# KiCad board POWERCORE-V2.0_MOTHERBOARD.kicad_pcb (continued)
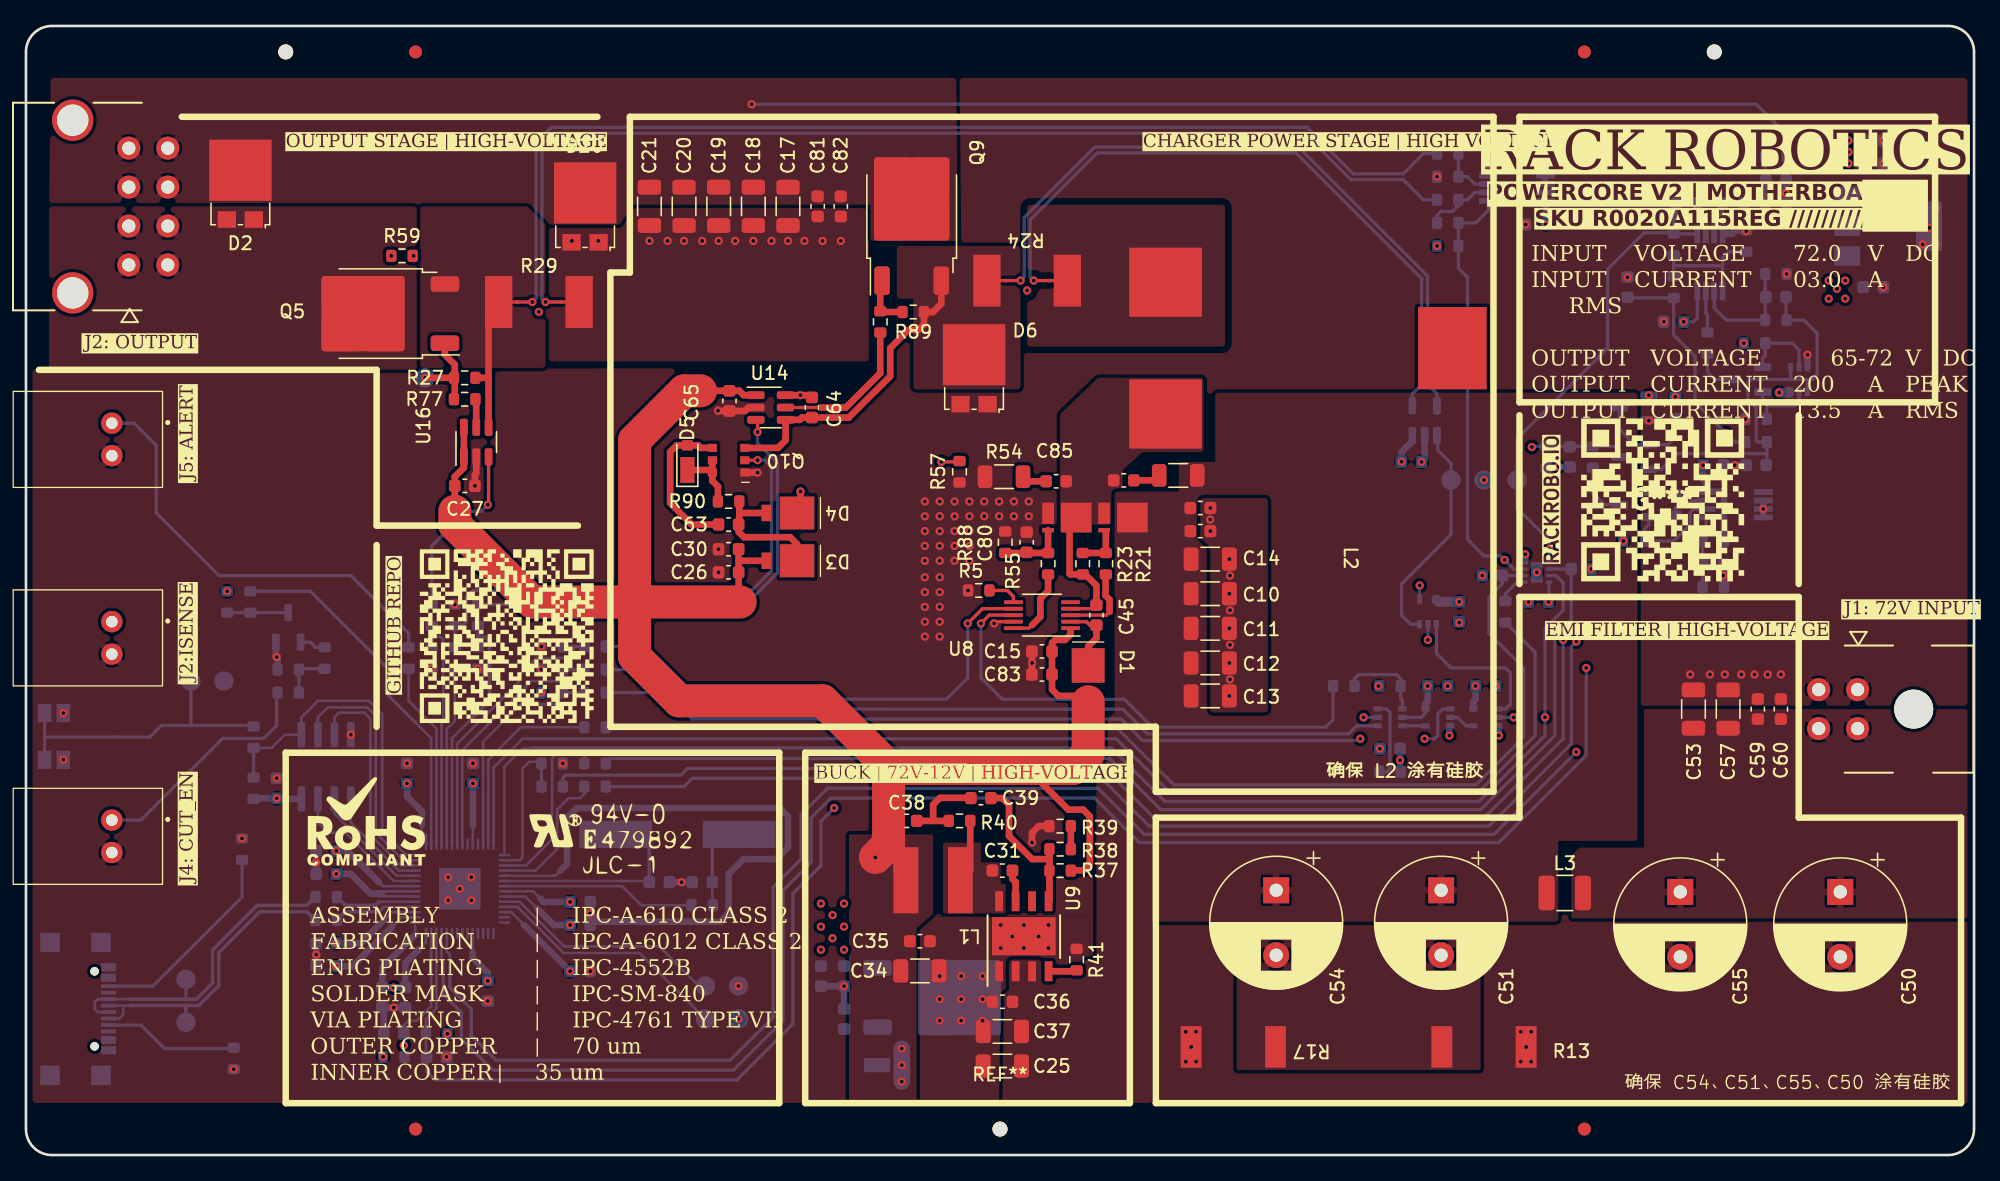
[diagram p0: board, top side]
## Library data of the parts (continued)
U10 = -: Description: IC, LDO, 25VIN, 3.3VOUT, 0.5A, SMT, TO-252-3; Manufacturer: Texas Instruments
U11 = -: Manufacturer: Winbond Electronics
U12 = -: Description: IC, LDO, 25VIN, 5VOUT, 0.5A, SMT, SOT-223-4; Manufacturer: Texas Instruments
U14 U16 = -: Manufacturer: Infineon
Y1 = -: ESR: 50 Ohm; Frequency: 12MHz; Load Capacitance: 18pf; Manufacturer: Abracon

## Footprints (pads in the part's own frame, mm; a bottom-side part is the same pattern mirrored in y, then rotated)
0430450400
  round 3 hole 3 unplated: (0,0)
  round 1.778 hole 1.016: 1(1.5,4.318) 2(-1.5,4.318) 3(1.5,7.318) 4(-1.5,7.318)
0430450822
  round 1.778 hole 1.016: 1(4.5,4.318) 2(1.5,4.318) 3(-1.5,4.318) 4(-4.5,4.318) 5(4.5,7.318) 6(1.5,7.318) 7(-1.5,7.318) 8(-4.5,7.318)
  round 3.175 hole 2.413: S1(6.655,0) S2(-6.655,0)
C_0603_1608Metric
  rrect 0.9x0.95 smd: 1(-0.775,0) 2(0.775,0)
C_1206_3216Metric
  rrect 1.15x1.8 smd: 1(-1.475,0) 2(1.475,0)
CP_Radial_D10.0mm_P5.00mm
  rect 2x2 hole 1.016: 1(0,0)
  round 2 hole 1.016: 2(5,0)
CRE_2512_High_ohm
  rect 2.1x4 smd: 1(-3.1,0) 2(3.1,0)
Crystal_SMD_HC49-SD
  rect 5.6x2.1 smd: 1(-4.75,0) 2(4.75,0)
CSRN2512
  rect 1.6x3.2 smd: 1(-3.25,0) 2(3.25,0)
D_MicroSMP_AK
  rect 2x1.1 smd: 1(-0.88,0)
  rect 0.8x0.8 smd: 2(1.02,0)
DO-220AA (SMP)
  rect 2.667x2.54 smd: 1(-0.699,0)
  rect 0.762x1.27 smd: 2(1.651,0)
Fiducial_1mm_Mask2mm
  round 1 smd: (0,0)
GSB1C41110SSHR
  round 0.65 hole 0.65 unplated: (-2.89,0) (2.89,0)
  rect 0.6x1.15 smd: A1(-3.2,1.075) A4(-2.4,1.075) A9(2.4,1.075) A12(3.2,1.075) B1(3.2,1.075) B4(2.4,1.075) B9(-2.4,1.075) B12(-3.2,1.075)
  rect 0.3x1.15 smd: A5(-1.25,1.075) A6(-0.25,1.075) A7(0.25,1.075) A8(1.25,1.075) B5(1.75,1.075) B6(0.75,1.075) B7(-0.75,1.075) B8(-1.75,1.075)
  rect 1.5x1.5 smd: S1(-5.12,-3.43) S1(-5.12,0.5) S1(5.12,-3.43) S1(5.12,0.5)
INFINEON_TSDSON-8-25
  rect 1.64x0.9 smd: 1(-0.325,-1.45)
  rect 0.34x0.9 smd: 4(0.975,-1.45)
  rect 2.29x2.36 smd: 5(0,0.72)
JLC_PCB_Tooling_Hole
  round 1.3 hole 1.152 unplated: (0,0)
L_1210_3225Metric
  rrect 1.25x2.65 smd: 1(-1.4,0) 2(1.4,0)
LM5169_POWERPAD_SOIC8
  rrect 2.71x3.4 smd: (0,0)
  rrect 1.55x0.6 smd: 1(-2.7,1.905) 2(-2.7,0.635) 3(-2.7,-0.635) 4(-2.7,-1.905) 5(2.7,-1.905) 6(2.7,-0.635) 7(2.7,0.635) 8(2.7,1.905)
  rrect 2.95x4.9 smd: EP(0,0)
NET_TIE_SMD_10mil
  rect 0.254x0.254 smd: 1(-0.381,0) 2(0.381,0)
PQ2617BHA
  rect 5.33x5.59 smd: 1(-5.075,-14.355) 2(5.075,-14.355)
  rect 6.35x5.28 smd: 3(0,7.72)
QFN-56-1EP_7x7mm_P0.4mm_EP3.2x3.2mm
  rrect 1.29x1.29 smd: (-0.8,-0.8) (-0.8,0.8) (0.8,-0.8) (0.8,0.8)
  rrect 0.875x0.2 smd: 1(-3.438,2.6) 2(-3.438,2.2) 3(-3.438,1.8) 4(-3.438,1.4) 5(-3.438,1) 6(-3.438,0.6) 7(-3.438,0.2) 8(-3.438,-0.2) 9(-3.438,-0.6) 10(-3.438,-1) 11(-3.438,-1.4) 12(-3.438,-1.8) 13(-3.438,-2.2) 14(-3.438,-2.6) 29(3.438,-2.6) 30(3.438,-2.2) 31(3.438,-1.8) 32(3.438,-1.4) 33(3.438,-1) 34(3.438,-0.6) 35(3.438,-0.2) 36(3.438,0.2) 37(3.438,0.6) 38(3.438,1) 39(3.438,1.4) 40(3.438,1.8) 41(3.438,2.2) 42(3.438,2.6)
  rrect 0.2x0.875 smd: 15(-2.6,-3.438) 16(-2.2,-3.438) 17(-1.8,-3.438) 18(-1.4,-3.438) 19(-1,-3.438) 20(-0.6,-3.438) 21(-0.2,-3.438) 22(0.2,-3.438) 23(0.6,-3.438) 24(1,-3.438) 25(1.4,-3.438) 26(1.8,-3.438) 27(2.2,-3.438) 28(2.6,-3.438) 43(2.6,3.438) 44(2.2,3.438) 45(1.8,3.438) 46(1.4,3.438) 47(1,3.438) 48(0.6,3.438) 49(0.2,3.438) 50(-0.2,3.438) 51(-0.6,3.438) 52(-1,3.438) 53(-1.4,3.438) 54(-1.8,3.438) 55(-2.2,3.438) 56(-2.6,3.438)
  rect 3.2x3.2 smd: 57(0,0)
R_0603_1608Metric
  rrect 0.8x0.95 smd: 1(-0.825,0) 2(0.825,0)
R_1206_3216Metric
  rrect 1.125x1.75 smd: 1(-1.462,0) 2(1.462,0)
S2B-XH-A-1
  round 1.651 hole 0.889: 1(1.25,0) 2(-1.25,0)
SOIC-8_3.9x4.9mm_P1.27mm
  rrect 1.95x0.6 smd: 1(-2.475,1.905) 2(-2.475,0.635) 3(-2.475,-0.635) 4(-2.475,-1.905) 5(2.475,-1.905) 6(2.475,-0.635) 7(2.475,0.635) 8(2.475,1.905)
SOT-23-3
  rrect 1.325x0.6 smd: 1(-1.137,0.95) 2(-1.137,-0.95) 3(1.137,0)
SOT-23-5
  rrect 1.325x0.6 smd: 1(-1.137,0.95) 2(-1.137,0) 3(-1.137,-0.95) 4(1.137,-0.95) 5(1.137,0.95)
SOT-23-6
  rrect 1.325x0.6 smd: 1(-1.137,0.95) 2(-1.137,0) 3(-1.137,-0.95) 4(1.137,-0.95) 5(1.137,0) 6(1.137,0.95)
SOT-223-3_TabPin2
  rect 2x1.5 smd: 1(-3.15,2.3) 2(-3.15,0) 3(-3.15,-2.3)
  rect 2x3.8 smd: 2(3.15,0)
SOT-353_SC-70-5
  rect 0.65x0.4 smd: 1(-0.95,0.65) 2(-0.95,0) 3(-0.95,-0.65) 4(0.95,-0.65) 5(0.95,0.65)
SOT-363_SC-70-6
  rect 0.65x0.4 smd: 1(-0.95,0.65) 2(-0.95,0) 3(-0.95,-0.65) 4(0.95,-0.65) 5(0.95,0) 6(0.95,0.65)
SW_SPST_EVQP7A
  rect 1.4x1.05 smd: 1(-1.8,0.72) 1(1.8,0.72) 2(-1.8,-0.72) 2(1.8,-0.72)
TestPoint_Pad_D1.5mm
  round 1.5 smd: 1(0,0)
TO-252-2
  rrect 2.2x1.2 smd: 1(-5.04,2.28) 3(-5.04,-2.28)
  rrect 3.05x2.75 smd: 2(-0.415,1.525) 2(-0.415,-1.525) 2(2.935,1.525) 2(2.935,-1.525)
  rrect 6.4x5.8 smd: 2(1.26,0)
TO-277A
  rect 1.25x1.2 smd: (-1.7,0.65) (-1.7,-1.04) (-1.7,-2.7) (0,0.65) (0,-1.04) (0,-2.7) (1.7,0.65) (1.7,-1.04) (1.7,-2.7)
  rect 1.4x1.27 smd: 1(-1.04,2.765) 2(1.04,2.765)
  rect 4.8x4.72 smd: 3(0,-1.04)
TSOP_6_2.5MM WIDTH
  rect 0.7x0.62 smd: 1(-1.25,0.95) 2(-1.25,0) 3(-1.25,-0.95) 4(1.25,-0.95) 5(1.25,0) 6(1.25,0.95)
unnamed
  round 1.3 hole 1.152 unplated: (0,0)
VLS6045EX
  rect 1.9x5.1 smd: 1(-2.1,0) 2(2.1,0)
VSSOP-8_3.0x3.0mm_P0.65mm
  rect 1.45x0.45 smd: 1(-2.2,0.975) 2(-2.2,0.325) 3(-2.2,-0.325) 4(-2.2,-0.975) 5(2.2,-0.975) 6(2.2,-0.325) 7(2.2,0.325) 8(2.2,0.975)
VSSOP-10_3x3mm_P0.5mm
  rrect 1.45x0.3 smd: 1(-2.2,1) 2(-2.2,0.5) 3(-2.2,0) 4(-2.2,-0.5) 5(-2.2,-1) 6(2.2,-1) 7(2.2,-0.5) 8(2.2,0) 9(2.2,0.5) 10(2.2,1)
WSON-8-1EP_2x2mm_P0.5mm_EP0.9x1.6mm
  rect 0.75x0.65 smd: (0,-0.4) (0,0.4)
  rect 0.5x0.25 smd: 1(-0.95,0.75) 2(-0.95,0.25) 3(-0.95,-0.25) 4(-0.95,-0.75) 5(0.95,-0.75) 6(0.95,-0.25) 7(0.95,0.25) 8(0.95,0.75)
  rect 0.9x1.6 smd: 9(0,0)

## Nets
+1V1: C74.1 C75.1 C76.1 U2.23 U2.45 U2.50
+3V3: C3.1 C4.1 C5.1 C7.1 C8.1 C9.1 C22.1 C23.1 C42.1 C66.1 C67.1 C68.1 C69.1 C70.1 C71.1 C73.1 C77.1 C78.1 R4.2 R32.1 R43.1 R50.1 R53.1 R56.1 R58.1 TP4.1 U2.1 U2.10 U2.22 U2.26 U2.33 U2.42 U2.43 U2.44 U2.48 U2.49 U3.5 U4.5 U5.5 U6.8 U7.8 U10.3 U11.8 U17.8
+5V: C1.1 C24.1 C49.1 C56.1 C87.1 Q12.6 R65.1 R73.1 TP15.1 U1.3 U12.3 U13.5 U15.8
+12V: C15.1 C26.1 C27.1 C30.1 C34.1 C35.1 C38.2 C65.1 C83.1 C86.1 D1.2 D3.2 D19.2 L1.2 R37.1 TP13.1 U8.1 U12.1 U14.1 U16.1 U16.6
GND: C1.2 C2.2 C3.2 C4.2 C5.2 C6.2 C7.2 C8.2 C9.2 C10.2 C11.2 C12.2 C13.2 C14.2 C15.2 C16.2 C17.2 C18.2 C19.2 C20.2 C21.2 C22.2 C23.2 C24.2 C25.2 C26.2 C27.2 C29.2 C30.2 C32.2 C34.2 C35.2 C36.2 C37.2 C40.2 C41.1 C42.2 C44.2 C47.2 C48.2 C49.2 C50.2 C52.2 C53.2 C55.2 C56.2 C57.2 C59.2 C60.2 C65.2 C66.2 C67.2 C68.2 C69.2 C70.2 C71.2 C72.2 C73.2 C74.2 C75.2 C76.2 C77.2 C78.2 C79.2 C80.2 C81.2 C82.2 C83.2 C86.2 C87.2 C95.2 D6.1 D6.2 D20.1 D20.2 J1.1 J1.3 J2.S1 J2.S2 J3.2 J4.2 J5.2 J6.A1 J6.A12 J6.B1 J6.B12 J6.S1 NT2.2 Q3.1 Q7.2 Q10.1 Q11.2 Q12.3 R1.2 R5.2 R7.2 R9.1 R13.2 R14.2 R17.2 R26.1 R29.2 R34.2 R36.2 R39.2 R41.2 R46.2 R54.2 R57.2 R59.2 R63.2 R64.2 R69.2 R71.2 R72.2 R79.2 R83.2 R86.1 R88.2 R94.1 R97.1 SW1.1 TP3.1 TP10.1 U1.2 U2.19 U2.57 U3.2 U4.3 U5.3 U6.2 U6.3 U6.4 U7.4 U7.9 U8.9 U9.1 U9.EP U10.2 U11.4 U12.2 U13.2 U14.2 U15.4 U16.2 U17.4 U17.5 U17.6
VBUS: C10.1 C11.1 C12.1 C13.1 C14.1 C25.1 C36.1 C37.1 C51.1 C54.1 C72.1 C79.1 L3.2 Q4.5 R70.1 U9.2 U9.3
/CHARGER_POWER_STAGE/CC_CHARGER_EN: R9.2 R20.2 U2.7
/CHARGER_POWER_STAGE/CC_CHARGER_HI: R22.1 R86.2 U3.4
/CHARGER_POWER_STAGE/CHARGER_TEMP: C47.1 R56.2 R57.1 U2.40
/CHARGER_POWER_STAGE/DIODE_ON: R92.1 R94.2 U2.6
/CHARGER_POWER_STAGE/GATE_BIAS_CLK: R96.1 U2.5
/CHARGER_POWER_STAGE/V_SHUNT_+: NT5.2 U1.4
/CHARGER_POWER_STAGE/V_SHUNT_-: NT6.1 U1.5
/CHARGER_POWER_STAGE/VCAP: C17.1 C18.1 C19.1 C20.1 C21.1 C81.1 C82.1 D2.3 D20.3 J2.3 J2.4 J2.7 J2.8 Q9.2 R2.1
/CHARGER_POWER_STAGE/VG_DIODE: R25.2 U14.5
/CHARGER_POWER_STAGE/VGH: Q4.4 R21.2 R23.1
/CHARGER_POWER_STAGE/VHB_DIODE: C64.1 D4.1 U14.6
/CHARGER_POWER_STAGE/VS_DIODE: C64.2 D6.3 NT6.2 Q9.3 Q10.3 R24.2 R89.2 U14.4
/CHARGER_POWER_STAGE/VSW: C45.2 C84.2 C85.1 L2.2 Q3.5 Q4.1 R23.2 U8.4
/CONNECTORS/CUT_EN: J4.1 R78.1
/CONNECTORS/ELECTRODE_-: D2.1 D2.2 J2.1 J2.2 J2.5 J2.6 Q5.2
/CONNECTORS/OUTPUT_ISENSE: J3.1 R75.2
/CONNECTORS/SHORT_ALERT: R3.2 U2.3
/CONNECTORS/SWCLK: TP1.1 U2.24
/CONNECTORS/SWDIO: TP2.1 U2.25
/CONNECTORS/USB_D_N: J6.A7 J6.B7 R66.1 TP8.1
/CONNECTORS/USB_D_P: J6.A6 J6.B6 R44.1 TP7.1
/CONTROLS/CC_CLK: R45.1 R46.1 U2.8
/CONTROLS/CC_I_LIMIT: C29.1 R30.2 R60.2 R68.1
/CONTROLS/CC_I_LIMIT_PWM: R30.1 U2.18
/CONTROLS/CC_PWM_nEN: R49.1 R50.2 U2.12
/CONTROLS/CC_SLOPE_BLANKING: R7.1 R10.1 U2.16
/CONTROLS/CURRENT_TRIP: U5.1 U13.1
/CONTROLS/OUTPUT_CURRENT_TRIP: R15.1 U2.14
/CONTROLS/OUTPUT_ISENSE_MICRO: R67.2 R75.1 U2.38 U7.3 U17.1
/CONTROLS/OUTPUT_SHUNT_+: NT1.1 R12.2
/CONTROLS/OUTPUT_SHUNT_-: NT2.1 R16.2
/CONTROLS/SLOPE_GENERATION/I_LIMIT_ADJUSTED: C6.1 C46.2 Q1.2 Q12.1 Q12.4 R28.2 R68.2
/CONTROLS/SPARK_THRESHOLD_PWM: R11.1 U2.13
/CONTROLS/V_CAP_SET: C44.1 R31.2 U7.6
/CONTROLS/V_CAP_SET_PWM: R31.1 U2.17
/CONTROLS/V_SENSE_FILTERED: C2.1 R1.1 R2.2 R51.1
/CONTROLS/V_SLOPE: C95.1 Q1.3 R14.1 R19.1 U13.4
/CONTROLS/VSENSE_BUFFERED: R47.2 R61.1 TP16.1 U2.39 U7.5 U15.1
/CONTROLS/VSENSE_TRIP: U2.15 U5.2 U7.7
/MICRO/CUT_nEN: R82.1 U2.2
/MICRO/OUTPUT_EN: R18.1 R26.2 U2.4
/MICRO/OUTPUT_STAGE_TEMP: C48.1 R58.2 R59.1 U2.41
/MICRO/P_USB_N: R66.2 U2.46
/MICRO/P_USB_P: R44.2 U2.47
/MICRO/QSPI_SS: R43.2 R100.1 U2.56 U11.1
/MICRO/XIN: C41.2 U2.20 Y1.2
/MICRO/XOUT: R101.2 U2.21
VDC: C50.1 C53.1 C55.1 C57.1 C59.1 C60.1 J1.2 J1.4 L3.1
Net-(C38-Pad1): C38.1 C39.2 R40.2
Net-(C40-Pad1): C40.1 R101.1 Y1.1
Net-(C51-Pad2): C51.2 C54.2 R13.1 R17.1
Net-(C84-Pad1): C84.1 R70.2
Net-(C85-Pad2): C85.2 R54.1
Net-(D1-K): C45.1 D1.1 U8.2
Net-(D3-K): C63.1 D3.1 D4.2 R90.1
Net-(D5-A): C63.2 D5.2 Q10.4
Net-(D5-K): D5.1 Q10.5 Q10.6 R90.2
Net-(D7-A): D7.1 Q12.2 R73.2
Net-(D7-A/K): D7.3 R62.2
Net-(D7-K): D7.2 Q12.5 R72.1
Net-(D19-K): C32.1 D19.1 U10.1
Net-(J5-Pad1): J5.1 R3.1
Net-(J6-CC1): J6.A5 R69.1
Net-(J6-CC2): J6.B5 R71.1
Net-(J6-VBUS-PadA4): J6.A4 J6.A9 J6.B4 J6.B9
Net-(L2-Pad1): L2.1 NT5.1 R24.1
Net-(Q1-G): Q1.1 Q11.3 R65.2
Net-(Q2-D): Q2.3 R19.2
Net-(Q2-G): Q2.1 R33.2
Net-(Q2-S): Q2.2 R36.1 U6.6
Net-(Q3-G): C80.1 Q3.4 R55.2 R88.1
Net-(Q5-G): Q5.1 R27.1 R77.2 TP5.1
Net-(Q5-S): NT1.2 Q5.3 R27.2 R29.1 U16.4
Net-(Q7-D): Q7.3 R53.2 R82.2
Net-(Q7-G): Q7.1 R80.1
Net-(Q9-G): Q9.1 R25.1 R89.1
Net-(Q10A-G): Q10.2 R96.2 R97.2
Net-(Q11-G): Q11.1 R10.2
Net-(R15-Pad2): R15.2 U7.1
Net-(R33-Pad1): R33.1 U6.7
Net-(R38-Pad2): R38.2 R39.1
Net-(R49-Pad2): R49.2 U4.1
Net-(R62-Pad1): R62.1 U15.7
Net-(R78-Pad2): R78.2 R79.1 R80.2
Net-(R100-Pad2): R100.2 SW1.2 TP9.1
Net-(U3-C): R45.2 U3.1
Net-(U3-D): R4.1 U3.3
Net-(U3-~{CLR}): U3.6 U4.4
Net-(U4-Pad2): U4.2 U5.4
Net-(U6B-+): C16.1 R32.2 R34.1 U6.5
Net-(U7A--): C52.1 R11.2 U7.2
Net-(U8-EN): R20.1 U8.7
Net-(U8-HO): R21.1 U8.3
Net-(U8-IN): R22.2 U8.8
Net-(U8-LO): R55.1 U8.10
Net-(U8-RDT): R5.1 U8.6
Net-(U9-BST): C31.1 U9.7
Net-(U9-FB): C39.1 R37.2 R38.1 U9.5
Net-(U9-RT): R41.1 U9.4
Net-(U9-SW): C31.2 L1.1 R40.1 U9.8
Net-(U11-CLK): U2.52 U11.6
Net-(U11-DI(IO0)): U2.53 U11.5
Net-(U11-DO(IO1)): U2.55 U11.2
Net-(U11-~{RST}(IO3)): U2.51 U11.7
Net-(U11-~{WP}(IO2)): U2.54 U11.3
Net-(U13-+): TP6.1 U1.1 U13.3
Net-(U14-IN): R92.2 U14.3
Net-(U15A-+): R51.2 U15.3
Net-(U15A--): R47.1 U15.2
Net-(U15B-+): R60.1 R61.2 R83.1 U15.5
Net-(U15B--): C46.1 R28.1 R63.1 U15.6
Net-(U16-HO): R77.1 U16.5
Net-(U16-IN): R18.2 U16.3
Net-(U17A-+): R12.1 R64.1 U17.3
Net-(U17A--): R16.1 R67.1 U17.2

Pads without a net: J6 A8 B8; L2 3; U2 9 11 27 28 29 30 31 32 34 35 36 37; U6 1; U8 5; U9 6; U17 7

## Via types
v1: diameter 0.635, hole 0.305, Top to Bottom, 262 vias

## Routing (per net, layer and track width the routed paths; a pad name or vN(x,y) marks a point on that pad's centre or on a via; arc(x,y) is an arc through that point)
+1V1: length 47.2
  In2.Cu w1.27: 25.65,20.01 28.96,20.01 31.24,17.72 v1(41.9,17.72) ; 25.65,20.01 25.65,16.96 25.02,16.33 v1(23.89,16.33) ; 25.65,20.01 25.65,22.68 24.89,23.44 v1(23.89,23.44)
  Bottom w0.201: 27.18,21.03 27.49,20.72 U2.50 ; 27.56,18.1 28.17,18.72 U2.45 ; U2.23 38.45,19.92 39.37,18.99
  Bottom w0.508: C76.1 v1(23.89,16.33) 25.78,16.33 27.56,18.1 ; 27.18,21.03 24.77,23.44 v1(23.89,23.44) C75.1 ; v1(41.9,17.72) 40.64,17.72 39.37,18.99
+3V3: length 79.4
  Bottom w0.201: 39.62,19.76 39.06,20.32 U2.22 ; U2.49 26.87,20.32 27.18,20.01 27.18,19.94 29.94,19.94 U2.48 ; 38.35,17.73 37.37,18.72 U2.26 ; 34.42,15.56 34.4,15.58 U2.33 ; 30.8,17.08 30.8,16.39 30.23,15.82 ; U2.44 28.92,18.32 28.19,17.6 ; 30.8,23.96 30.8,24.64 30.48,24.96 30.48,25.47 ; U2.43 29.96,16.96 ; U2.10 34.4,25.33
  Bottom w0.254: U4.5 107.76,34.05 107.44,33.73 105.98,33.73 ; v1(117.23,42.62) 117.28,42.66 U7.8
  Bottom w0.508: v1(107.94,36.14) 107.94,34.98 107.76,34.81 U4.5 107.76,34.3 ; 28.19,17.6 25.15,14.55 v1(23.89,14.55) ; 29.96,16.96 27.43,14.43 C78.1 C69.1 29.21,14.8 30.23,15.82 ; R4.2 105.8,29.58 C3.1 ; 34.4,15.58 34.4,15.2 35.56,14.04 v1(35.56,13.42) ; 117.01,73.49 117.02,73.49 v1(117.02,71.7) ; v1(41.9,14.17) 38.35,17.71 ; 129.37,51.11 129.34,51.11 ; 129.37,51.11 130.55,51.11 130.75,50.91 R32.1 ; 129.37,51.11 129.37,51.8 129.15,52.03 v1(129.15,53.16) ; 30.48,25.47 30.48,26.49 29.34,27.63 v1(29.34,28.63) ; 27.43,20.14 26.54,20.14 25.02,21.66 v1(23.89,21.66) ; v1(34.42,28.63) 34.42,25.34 ; v1(111.62,36.14) 111.62,35.11 111.45,34.93 111.45,34.38 ; 39.62,19.76 39.88,19.5 v1(41.9,19.5) ; 17.53,27.5 17.54,27.49 v1(19.3,27.49) 19.35,27.44 U11.8
  vias: v1(15.49,43.44) v1(27.5,7.56) v1(28.32,12.9) v1(32.45,9.34) v1(39.69,35.63) v1(54.86,10.48) v1(61.21,19.37) v1(61.21,17.6) v1(61.21,15.82) v1(62.1,18.49) v1(62.1,16.71) v1(62.99,19.37) v1(62.99,17.6) v1(62.99,15.82) v1(105.8,30.42)
+5V: length 88.6
  In3.Cu w1.27: 110.36,49.09 110.36,50.11 v1(112.27,52.01) 112.27,55.44 117.86,61.03 127.65,61.03 ; 110.36,49.09 107.7,49.09 105.92,50.87 v1(105.92,53.42) ; 110.36,49.09 v1(110.36,42.63) ; v1(127,58.43) 127.65,59.08 127.65,61.03 ; v1(140.34,76.4) v1(140.34,78.18) ; v1(127.65,64.21) 127.65,72.98 131.95,77.29 v1(140.34,77.29) ; v1(127.65,64.21) 130.62,64.21 v1(132.27,62.55) 132.27,61.47 v1(135,58.74) ; v1(127.65,64.21) 127.65,61.03
  Bottom w0.254: U15.8 128.69,64.5 128.4,64.21 v1(127.65,64.21)
  Bottom w0.508: U1.3 106.75,55 105.92,54.17 v1(105.92,53.42) C1.1
  Bottom w0.762: U13.5 108.78,42.63 v1(110.36,42.63) ; v1(135,58.74) 135.75,58.74 135.75,58.81
+12V: length 275
  Top w0.508: L1.2 67.04,21.88 C38.2 67.06,25.76 ; 80.45,21.94 81.43,21.94 81.92,22.42 81.92,26.11 81.41,26.61 80.26,26.61 76.87,30.01 75.64,28.77 67.06,28.77 ; 80.43,40.5 80.43,40.12 80.01,39.69 79.25,39.69 79.01,39.45 C15.1 79.01,35.87 79.5,35.38 D1.2 ; U14.1 55.26,58.55 54.93,58.88 51.94,58.88 ; 54.99,42.62 54.88,42.73 C26.1 54.88,45.8 ; 33.72,56 33.72,52.97 33.02,52.27 C27.1 33.02,49.6 ; 54.88,45.8 54.89,45.79 D3.2 ; 54.88,45.8 C30.1
  Top w2.54: 51.94,58.88 50.69,58.88 46.86,55.06 46.86,42.62 ; 66.42,29.79 80.65,29.79 81.79,30.93 81.79,34.92 ; 46.86,42.62 54.99,42.62 ; 46.86,42.62 46.86,38.42 50.29,35 61.34,35 66.42,29.92 66.42,23.95 v1(65.41,22.93) ; 46.86,42.62 38.99,42.62 33.02,48.58 33.02,49.6
  In2.Cu w2.54: v1(139.45,66.75) 139.45,44.14 136.4,41.09 127.38,41.09 123.32,37.03 123.32,29.66 119.38,25.72 90.55,25.72 88.27,23.44 88.27,13.53 81.66,6.93 v1(67.44,6.93)
  Bottom w1.27: v1(67.44,8.2) v1(67.44,5.66)
  vias: v1(138.81,67.38) v1(138.81,65.98) v1(140.08,67.38) v1(140.08,65.98)
GND: length 119.7
  Top w0.254: v1(74.55,40.97) 74.68,41.1 U8.9
  Top w0.508: C15.2 C83.2 ; v1(77.47,24.07) 77.47,24.84 77.98,25.34 R39.2 ; v1(34.57,51.56) 34.57,52.42 34.67,52.52 34.67,53.73 ; v1(53.28,57.36) 53.31,57.33 55.37,57.33 55.64,57.6 U14.2 ; 77,48.04 C80.2 ; Q10.1 v1(56.33,52.59)
  In2.Cu w0.508: 77.52,59.33 77.52,39.36 76.71,38.54
  Bottom w0.201: 34.4,21.52 v1(33.4,20.52) ; U2.19 36.84,21.52 40.75,21.52 41.15,21.91
  Bottom w0.254: U3.2 v1(103,33.73) ; U13.2 v1(107.95,39.69)
  Bottom w0.508: R34.2 130.7,43.81 C16.2 ; 19.37,37.48 19.37,38.3 v1(19.3,38.37) 19.24,38.43 Q7.2 ; C76.2 C73.2 ; 109.66,33.07 109.66,33.07 109.6,33.01 v1(109.6,32.33) ; C6.2 C8.2 ; v1(43.43,18.61) 43.43,19.49 C66.2 ; v1(43.43,18.61) 43.43,17.74 C74.2 ; v1(43.43,18.61) 44.07,17.98 53.47,17.98 54.1,18.61 54.1,21.66 55.25,22.8 57.79,22.8 58.67,23.69 58.67,26.11 58.04,26.74 42.42,26.74 41.66,25.98 41.66,22.42 41.15,21.91 ; 113.35,33.07 113.35,33.07 113.41,33.01 v1(113.41,32.33) ; v1(137.18,61.67) 137.18,61.66 137.18,60.71 ; C48.2 27.55,11.25 C78.2 C69.2 ; C40.2 v1(50.48,21.03) C41.1 ; 130.67,70.98 131.36,70.98 131.64,71.25 R83.2 ; v1(116.97,76.27) 116.97,74.86 116.98,74.85 117.01,74.85 ; C75.2 C68.2 ; U1.2 107.7,53.65 v1(107.46,53.41) ; R1.2 135.51,73.41 v1(135.51,74.11) 135.51,75.11 C2.2 ; v1(112.65,76.4) 112.65,75.51 112.64,75.5 112.61,75.5 ; U6.4 133.77,50.41 ; R14.2 117.14,53.02 C95.2 ; C32.2 v1(62.99,13.01) C23.2 ; 115.44,45.73 v1(115.44,46.29)
  vias: v1(2.88,34.06) v1(2.88,30.46) v1(16,6.61) v1(16.64,24.4) v1(19.3,29.04) v1(22.34,22.55) v1(22.35,15.44) v1(25.02,32.39) v1(28.32,11.36) v1(29.34,30.18) v1(29.85,69.29) v1(31.24,37.47) v1(32.39,7.56) v1(32.51,21.41) v1(32.51,19.63) v1(33.02,42.42) v1(34.29,21.41) v1(34.29,19.63) v1(34.42,30.18) v1(34.8,37.47) v1(35.56,11.87) v1(39.5,64.97) v1(39.69,39.19) v1(39.69,37.41) v1(41.34,30.17) v1(42.04,70.44) v1(43.45,14.17) v1(44.07,70.44) v1(48.01,70.44) v1(49.4,70.44) v1(50.67,70.44) v1(52.07,70.44) v1(53.34,70.44) v1(53.33,46.68) v1(53.33,44.9) v1(54.61,70.44) v1(54.86,13.02) v1(56.01,70.44) v1(57.4,70.44) v1(58.67,70.44) v1(59.94,70.44) v1(61.34,70.43) v1(62.74,70.44) v1(69.22,50.36) v1(69.22,49.22) v1(69.22,48.08) v1(69.22,46.93) v1(69.22,45.79) v1(69.22,44.52) v1(69.22,43.38) v1(69.22,42.23) v1(69.22,41.09) v1(69.22,39.95) v1(70.36,50.36) v1(70.36,49.22) v1(70.36,48.08) v1(70.36,46.93) v1(70.36,45.79) v1(70.36,44.52) v1(70.36,43.38) v1(70.36,42.23) v1(70.36,41.09) v1(70.36,39.95) v1(70.36,13.79) v1(70.36,12.01) v1(70.36,10.36) v1(71.5,50.36) v1(71.5,49.22) v1(71.5,48.08) v1(71.5,46.93) v1(71.5,45.79) v1(72.01,13.79) v1(72.01,12.01) v1(72.01,10.36) v1(72.54,43.5) v1(72.64,50.36) v1(72.64,49.22) v1(72.64,48.08) v1(72.64,46.93) v1(72.64,45.79) v1(73.66,13.79) v1(73.66,12.01) v1(73.66,10.36) v1(73.79,50.36) v1(73.79,49.22) v1(74.93,50.36) v1(74.93,49.22) v1(75.06,17.72) v1(75.06,15.95) v1(75.95,16.83) v1(76.07,50.36) v1(76.07,49.22) v1(76.84,17.72) v1(76.84,15.95) v1(77.09,66.62) v1(77.22,50.36) v1(77.22,49.22) v1(77.47,37.92) v1(77.98,16.83) v1(78.74,17.72) v1(78.74,15.95) v1(89.3,9.5) v1(89.3,7.2) v1(89.72,8.33) v1(90.1,9.5) v1(90.1,7.2) v1(91.2,49.85) v1(91.19,48.97) v1(91.2,48.08) v1(92.66,45.92) v1(92.71,44.65) v1(92.66,43.25) v1(92.71,41.98) v1(92.66,40.58) v1(92.71,39.31) v1(92.66,37.92) v1(92.71,36.65) v1(92.66,35.38) v1(104.14,36.14) v1(104.25,31.31) v1(108.65,75.38) v1(109.47,36.14) v1(110.36,41.03) v1(112.14,44.65) v1(113.16,36.14) v1(115.1,9.5) v1(115.1,7.2) v1(115.47,71.7) v1(115.52,8.33) v1(115.7,42.62) v1(115.9,9.5) v1(115.9,7.2) v1(116.33,44.9) v1(117.98,53.03) v1(120.54,45.16) v1(123,47.31) v1(123.32,67.63) v1(124.97,56.59) v1(126.11,64.21) v1(128.14,37.03) v1(129.67,37.03) v1(130.68,44.65) v1(130.81,37.03) v1(131.57,53.16) v1(132.08,37.03) v1(132.4,56.71) v1(132.46,71.19) v1(133.1,37.03) v1(133.77,49.78) v1(134.11,37.03) v1(135.13,37.03) v1(135.57,67.89) v1(143.02,78.18) v1(143.02,76.4) v1(143.02,66.87) v1(146.05,72.97) v1(146.05,70.17) v1(146.56,71.44) v1(147.07,72.97) v1(147.07,70.17)
/CHARGER_POWER_STAGE/CC_CHARGER_EN: length 22.1
  Bottom w0.201: 33.2,23.96 33.2,31.69 37.97,36.46 37.97,36.97 39.3,38.3 41.91,38.3 42.16,38.55 42.16,39.19
  Bottom w0.254: R20.2 R9.2
/CHARGER_POWER_STAGE/CC_CHARGER_HI: length 6.8
  Bottom w0.254: 105.98,34.38 105.98,35.06 105.85,35.19 R86.2 105.85,36.71 105.54,37.03 102.62,37.03 102.3,36.71 R22.1
/CHARGER_POWER_STAGE/CHARGER_TEMP: length 91.1
  Top w0.254: v1(70.49,53.41) 71.82,53.41 R57.1
  In3.Cu w0.254: v1(70.49,53.41) 69.85,53.41 67.82,51.38 67.82,32.33 v1(62.23,26.74)
  Bottom w0.201: U2.40 31.6,11.3 30.8,10.49 R56.2 30.8,7.61 C47.1
  Bottom w0.254: C47.1 30.85,6.43 31.5,5.79 54.74,5.79 59.06,10.1 59.06,20.14 61.21,22.3 61.21,25.72 v1(62.23,26.74)
/CHARGER_POWER_STAGE/DIODE_ON: length 19.5
  Bottom w0.201: 32.8,23.96 32.8,32.11 34.29,33.6 ; 34.8,39.95 35.31,39.95
  Bottom w0.254: R92.1 R94.2 ; 34.29,33.6 35.69,35 35.69,39.57 35.31,39.95
/CHARGER_POWER_STAGE/GATE_BIAS_CLK: length 13.8
  Bottom w0.201: R96.1 33.02,33.44 32.4,32.82 32.4,23.96 U2.5
/CHARGER_POWER_STAGE/V_SHUNT_+: length 52.4
  Top w0.254: NT5.2 v1(77.6,67.38)
  Bottom w0.254: v1(77.6,67.38) 77.32,67.66 77.32,72.05 82.48,77.22 97.79,77.22 107.47,67.54 107.47,59.38 106.75,58.66 U1.4
/CHARGER_POWER_STAGE/V_SHUNT_-: length 53.9
  Top w0.254: NT6.1 v1(76.58,67.38)
  Bottom w0.254: U1.5 108.65,58.66 107.92,59.38 107.92,67.73 97.98,77.67 82.3,77.67 76.86,72.23 76.86,67.66 v1(76.58,67.38)
/CHARGER_POWER_STAGE/VCAP: length 82.4
  Bottom w0.254: R2.1 135.57,78.62 133.22,80.97 v1(55.88,80.97)
/CHARGER_POWER_STAGE/VG_DIODE: length 11.5
  Top w0.254: U14.5 61.15,57.6
  Top w0.508: 61.17,57.6 63.14,57.6 65.78,60.24 R25.2
/CHARGER_POWER_STAGE/VGH: length 3.4
  Top w0.508: R23.1 R21.2 83.15,48.02
/CHARGER_POWER_STAGE/VHB_DIODE: length 11.3
  Top w0.508: D4.1 59.63,49.74 v1(59.63,51.13) ; U14.6 v1(59.63,58.55) 60.34,58.55 C64.1
  In2.Cu w0.508: v1(59.63,51.13) v1(59.63,58.55)
/CHARGER_POWER_STAGE/VS_DIODE: length 24.3
  Top w0.508: Q10.3 57.91,54.49 58.49,55.07 58.49,56.64 U14.4 59.58,56.65 59.75,56.83 C64.2 63.36,56.83 66.55,60.01 66.55,62.17 67.95,63.57 68.71,63.57 69.15,64.01 R89.2 69.84,64.96 70.48,65.6 Q9.3
/CHARGER_POWER_STAGE/VSW: length 10.6
  Top w0.254: U8.4 82.15,42.1 C45.2
  Top w0.508: C45.2 82.42,43.89 81.57,44.74 R23.2 80.42,44.74 80.35,44.8 80.35,48.6 Q3.5
/CONNECTORS/CUT_EN: length 18.3
  Bottom w0.254: 19.3,35.64 19.3,33.09 18.32,32.1 15.14,32.1 8.85,25.81 J4.1
/CONNECTORS/OUTPUT_ISENSE: length 134.6
  In3.Cu w0.254: v1(108.65,70.05) 106.81,70.05 96.9,79.95 24.38,79.95 20.07,75.64 20.07,59.76 6.61,46.31 J3.1
/CONNECTORS/SHORT_ALERT: length 14.4
  Bottom w0.201: R3.2 29.46,35 31.6,32.86 U2.3
/CONNECTORS/SWCLK: length 18.2
  Bottom w0.201: TP1.1 51.82,13.02 48.77,16.07 41.46,16.07 38.01,19.52 36.84,19.52 U2.24
/CONNECTORS/SWDIO: length 19.1
  Bottom w0.201: U2.25 37.85,19.12 41.4,15.56 47.24,15.56 TP2.1
/CONNECTORS/USB_D_N: length 24.1
  Bottom w0.201: 8.13,11.53 8.12,11.52 7.49,11.52 ; J6.B7 7.18,10.52 7.49,10.83 7.49,11.52 ; 7.49,11.52 J6.A7
  Bottom w0.278: 12.32,11.53 13.32,11.53 14.85,13.05 14.85,15.59 18.01,18.75 21.64,18.75 22.29,18.1 ; 12.32,11.53 8,11.53 ; 12.32,11.53 TP8.1
/CONNECTORS/USB_D_P: length 25.1
  Bottom w0.201: 8,12.01 7.99,12.02 J6.B6 5.53,12.02 5.3,11.79 5.3,11.24 5.53,11.02 J6.A6
  Bottom w0.254: TP7.1 12.32,12.01
  Bottom w0.278: 22.29,19.88 21.64,19.23 17.81,19.23 14.36,15.79 14.36,13.25 13.12,12.01 8,12.01
/CONTROLS/CC_CLK: length 20.4
  Bottom w0.201: 42.16,37.41 42.16,36.77 41.91,36.52 38.93,36.52 33.6,31.2 U2.8
  Bottom w0.254: R46.1 R45.1
/CONTROLS/CC_I_LIMIT: length 129.1
  In3.Cu w0.254: v1(119.38,39.57) 122.17,42.36 122.17,53.28 124.21,55.32 130.56,55.32 v1(130.87,55.63)
  Bottom w0.254: R30.2 50.67,28.39 51.31,29.03 82.8,29.03 85.41,26.42 ; v1(119.38,39.57) 119,39.19 119,31.69 112.65,25.34 86.49,25.34 85.41,26.42 ; 85.41,26.42 85.6,26.23 ; R68.1 131.57,54.93 v1(130.87,55.63) 128.52,57.98 128.52,61.54 126.87,63.19 126.87,66.05 R60.2 123.37,66.05 C29.1
/CONTROLS/CC_I_LIMIT_PWM: length 11
  Bottom w0.201: R30.1 42.99,27.82 42.67,27.5 41.78,27.5 40.89,26.61 40.89,23.57 39.24,21.91 39.24,21.92 U2.18
/CONTROLS/CC_PWM_nEN: length 18.4
  Bottom w0.201: 35.2,23.96 35.2,31.84 38.1,34.74 41.91,34.74 42.16,35 42.16,35.63
  Bottom w0.254: R50.2 R49.1
/CONTROLS/CC_SLOPE_BLANKING: length 11.8
  Bottom w0.201: 39.69,30.3 38.74,30.3 38.23,29.79 38.23,22.93 38.01,22.72 37.38,22.72 37.38,22.72 U2.16
  Bottom w0.254: R10.1 R7.1
/CONTROLS/CURRENT_TRIP: length 12.1
  Bottom w0.254: U13.1 108.6,38.66 109.73,37.54 113.92,37.54 114.3,37.15 114.3,34.74 113.93,34.38 U5.1
/CONTROLS/OUTPUT_CURRENT_TRIP: length 100.2
  Bottom w0.201: U2.14 36,29.85 38.23,32.07 38.61,32.07
  Bottom w0.254: 38.61,32.07 83.95,32.07 88.14,27.88 111.76,27.88 116.21,32.33 116.21,38.74 113.92,41.03
/CONTROLS/OUTPUT_ISENSE_MICRO: length 165.7
  In3.Cu w0.254: v1(119.38,31.06) 119.38,35.5 114.81,40.08 114.81,44.9 v1(113.86,45.85)
  Bottom w0.201: 32.64,14.55 32.64,15.44 32.4,15.68 U2.38
  Bottom w0.254: v1(119.38,31.06) 113.03,24.71 86.11,24.71 82.55,28.26 61.72,28.26 59.69,26.23 59.69,22.8 57.53,20.64 57.53,10.61 54.23,7.31 36.2,7.31 34.29,9.21 34.29,11.25 32.64,12.9 32.64,14.55 ; U7.3 114.56,45.15 v1(113.86,45.85) 113.54,46.17 112.27,46.17 111,47.44 111,67.63 110.3,68.33 110.3,71.83 111.63,71.83 112.61,72.8 U17.1
/CONTROLS/OUTPUT_SHUNT_+: length 85.6
  Top w0.254: NT1.1 v1(38.99,65.73) 38.99,65.73
  Bottom w0.254: v1(38.99,65.73) 39.27,66.01 39.27,78.02 40.45,79.19 98.62,79.19 102.2,75.61 106.05,75.61 107.6,77.16 R12.2
/CONTROLS/OUTPUT_SHUNT_-: length 84.8
  Top w0.254: NT2.1 v1(40.01,65.73)
  Bottom w0.254: v1(40.01,65.73) 39.72,66.01 39.72,77.83 40.64,78.74 98.43,78.74 102.01,75.16 106.05,75.16 107.6,73.6 R16.2
/CONTROLS/SLOPE_GENERATION/I_LIMIT_ADJUSTED: length 32.2
  Bottom w0.254: 135.88,60.71 135.88,59.78 135.89,59.76 ; 137.18,58.81 137.18,59.75 137.16,59.76 ; 134.05,54.05 R68.2 133.35,54.93 133.22,55.06 133.22,57.6 132.59,58.24 132.59,59.51 132.84,59.76 137.54,59.76 137.92,60.14 137.92,63.32 136.91,64.33 R28.2 135.52,64.38 C46.2 ; 134.05,54.05 134.05,53.21 C6.1 133.99,53.14 ; 134.05,54.05 127.13,54.05 125.93,52.84 Q1.2
/CONTROLS/SPARK_THRESHOLD_PWM: length 15.1
  Bottom w0.201: U2.13 35.6,30.46 38.1,32.96 R11.1 42.86,32.84
/CONTROLS/V_CAP_SET: length 92.3
  Bottom w0.254: R31.2 45.02,30.55 83.44,30.55 87.38,26.61 112.01,26.61 117.72,32.32 117.72,39.96 118.99,41.23 C44.1 117.29,45.16 U7.6
/CONTROLS/V_CAP_SET_PWM: length 14
  Bottom w0.201: U2.17 38.5,22.32 40.5,24.31 40.5,26.78 40.51,26.8 40.51,30.55 40.91,30.94 42.79,30.94 42.99,30.74 R31.1
/CONTROLS/V_SENSE_FILTERED: length 5.2
  Bottom w0.254: R2.2 R1.1 R51.1
/CONTROLS/V_SLOPE: length 36
  In3.Cu w0.254: v1(115.95,54.55) 115.95,49.39 113.16,46.59 113.16,40.46 111.51,38.81 107.7,38.81 106.3,40.2 106.3,42.87 v1(107.32,43.89)
  Bottom w0.254: v1(107.32,43.89) 107.3,43.87 U13.4 ; v1(115.95,54.55) 116.01,54.62 R14.1 R19.1 122.37,54.62 122.69,54.29 Q1.3
/CONTROLS/VSENSE_BUFFERED: length 173.2
  In3.Cu w0.254: v1(120.14,37.54) 118.75,37.54 117.6,38.68 117.6,40.71 119,42.11 119,44.96 v1(117.28,46.68)
  Bottom w0.201: 32.13,14.8 32,14.93 U2.39
  Bottom w0.254: 32.13,14.8 32.13,12.39 33.53,10.99 33.53,8.96 35.94,6.55 54.48,6.55 58.29,10.36 58.29,20.39 60.45,22.55 60.45,25.98 61.98,27.5 82.3,27.5 85.73,24.07 113.41,24.07 120.14,30.8 v1(120.14,37.54) ; R61.1 126.87,72.21 127.06,72.4 R47.2 ; R61.1 126.81,71.06 124.59,71.06 121.79,68.27 121.79,62.17 114.81,55.19 TP16.1 114.81,49.85 117.28,47.38 v1(117.28,46.68) U7.5 ; R61.1 126.9,70.98 U15.1
/CONTROLS/VSENSE_TRIP: length 108.8
  In3.Cu w0.254: v1(116.97,33.73) v1(114.55,33.73)
  Bottom w0.201: 38.86,31.31 38.23,31.31 36.84,29.92 U2.15
  Bottom w0.254: U5.2 v1(114.55,33.73) ; U7.7 117.81,44.65 118.36,44.1 118.36,41.98 116.97,40.58 v1(116.97,33.73) 116.97,32.33 111.89,27.25 87.69,27.25 83.57,31.37 38.92,31.37 38.86,31.31 38.74,31.31
/MICRO/CUT_nEN: length 28
  Bottom w0.201: 29.97,33.34 31.2,32.12 31.2,23.96
  Bottom w0.254: R82.1 21.91,43.44 27.94,37.41 27.94,35.38 29.97,33.34
/MICRO/OUTPUT_EN: length 18.4
  Bottom w0.201: U2.4 32,33.47 32.13,33.6 32.13,39.69 31.88,39.95 31.24,39.95
  Bottom w0.254: R26.2 R18.1
/MICRO/OUTPUT_STAGE_TEMP: length 73.8
  In3.Cu w0.254: v1(28.13,69.29) 28.13,38.62 26.67,37.15 26.67,9.85 28.07,8.45 v1(29.1,8.45)
  Bottom w0.201: 29.1,7.61 v1(29.1,8.45) C48.1 29.1,9.99 29.46,10.36 30.1,10.36 31.2,11.46 31.2,17.08
/MICRO/P_USB_N: length 6.4
  Bottom w0.201: 27.43,18.99 27.56,19.12 U2.46
  Bottom w0.278: 27.43,18.99 27.19,18.75 24.59,18.75 R66.2
/MICRO/P_USB_P: length 6.4
  Bottom w0.201: 27.18,19.5 27.19,19.52 U2.47
  Bottom w0.278: 27.18,19.5 26.91,19.23 24.59,19.23 R44.2
/MICRO/QSPI_SS: length 27.4
  Bottom w0.201: U2.56 29.28,23.12 27.43,24.96 27.43,33.98 26.42,35 22.48,35 21.21,33.73 U11.1 19.93,32.39 18.92,31.38 R100.1
  Bottom w0.254: 17.53,29.15 17.53,31.63
/MICRO/XIN: length 17.5
  Bottom w0.201: U2.20 47.9,21.12 C41.2 ; 47.74,21.03 47.75,21.01
  Bottom w0.254: C41.2 47.99,24.71 Y1.2
/MICRO/XOUT: length 15
  Bottom w0.201: R101.2 47.37,19.25 45.9,20.72 U2.21
Net-(C38-Pad1): length 6.8
  Top w0.508: 72.75,27.53 70.38,27.53 69.85,26.99 69.85,25.75 ; 69.85,25.75 R40.2 ; 69.85,25.75 C38.1
Net-(C40-Pad1): length 7.6
  Bottom w0.201: 52.9,19.25 52.85,19.3 C40.1
  Bottom w0.254: C40.1 52.85,24.71 Y1.1
Net-(C84-Pad1): length 2.1
  Top w0.508: R70.2 86.88,51.99 C84.1
Net-(C85-Pad2): length 1.9
  Top w0.508: C85.2 77.13,51.92 R54.1
Net-(D1-K): length 5.5
  Top w0.254: U8.2 80.44,41.09 81.66,41.09 81.93,40.82 C45.1
  Top w0.508: D1.1 81.79,39.19 82.42,39.82 C45.1
Net-(D3-K): length 10.6
  Top w0.508: D3.1 59.37,47.08 58.84,47.61 55.29,47.61 54.88,48.02 C63.1 54.93,48.63 54.93,49.48 ; R90.1 54.93,49.48 ; 54.93,49.48 54.94,49.47 D4.2
Net-(D5-A): length 11.9
  Top w0.508: C63.2 51.26,48.58 49.6,50.24 49.6,54.18 50.1,54.68 D5.2 51.76,54.68 51.96,54.49 Q10.4
Net-(D5-K): length 5.4
  Top w0.508: 53.28,50.36 53.28,50.37 53.28,51.51 52.85,51.95 Q10.6 ; Q10.6 Q10.5 ; Q10.6 52.66,52.78 D5.1
Net-(D7-A): length 6.1
  Bottom w0.254: 136.53,60.71 136.53,62.05 136.02,62.55 R73.2 133.92,61.6 133.73,61.41 133.73,60.71
